# Allegro board TNR_REV00_150306.brd (continued)
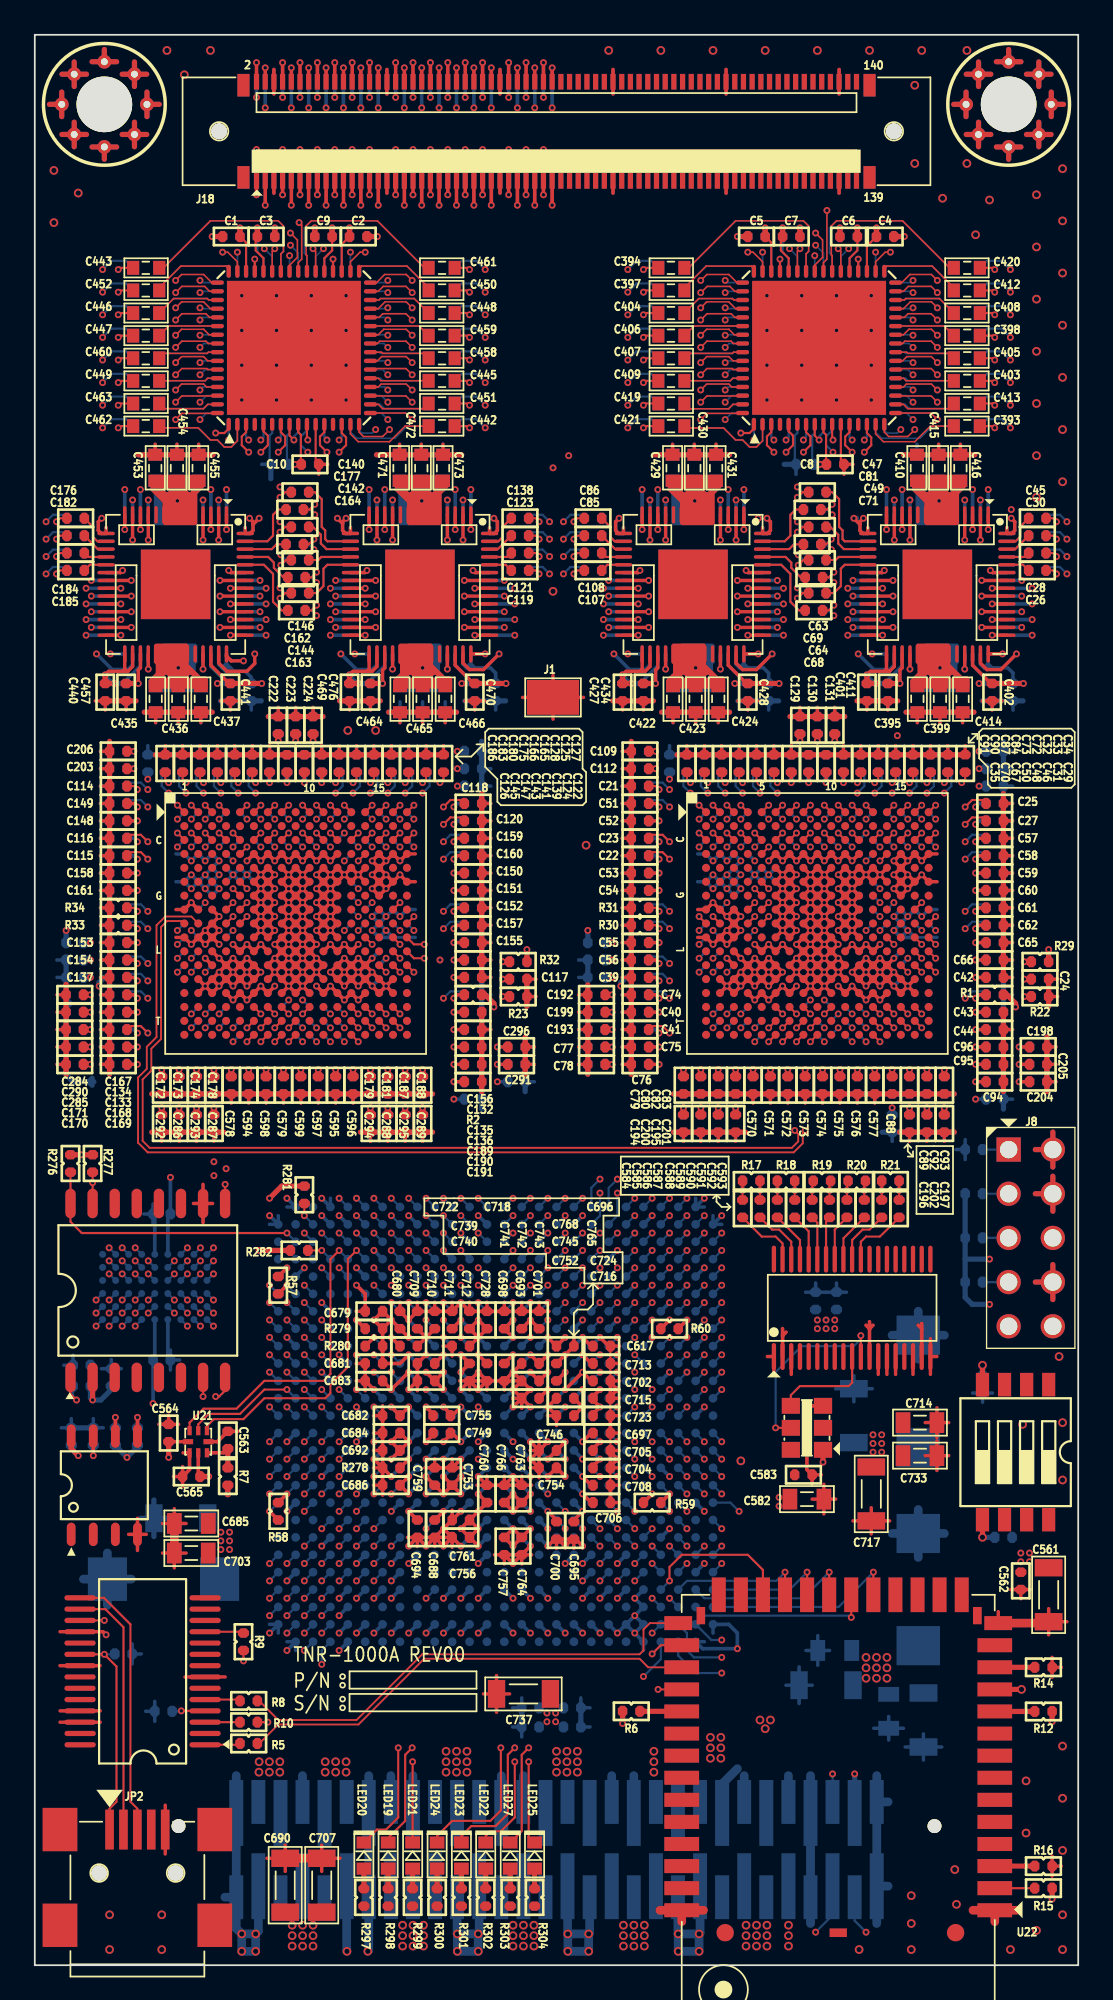
[diagram p0: board, top side]
## Footprints (pads in the part's own frame, mm; a bottom-side part is the same pattern mirrored in y, then rotated) (continued)
C0402
  custom 0.55x0.642 smd: 1(-0.5,0) 2(0.5,0)
C0603
  rect 0.7x0.8 smd: 1(-0.75,0) 2(0.75,0)
C0805
  rect 0.85x1.2 smd: 1(-0.975,0) 2(0.975,0)
C1206
  rect 1x1.6 smd: 1(-1.55,0) 2(1.55,0)
FX4B3-60P-1_27SV
  round 0.8 hole 0.8 unplated: (-21.735,-1.35) (21.735,-1.35)
  rect 0.8x3.79 smd: 1(-18.415,-2.105) 4(-17.145,2.105) 5(-15.875,-2.105) 8(-14.605,2.105) 9(-13.335,-2.105) 12(-12.065,2.105) 13(-10.795,-2.105) 16(-9.525,2.105) 17(-8.255,-2.105) 20(-6.985,2.105) 21(-5.715,-2.105) 24(-4.445,2.105) 25(-3.175,-2.105) 28(-1.905,2.105) 29(-0.635,-2.105) 32(0.635,2.105) 33(1.905,-2.105) 36(3.175,2.105) 37(4.445,-2.105) 40(5.715,2.105) 41(6.985,-2.105) 44(8.255,2.105) 45(9.525,-2.105) 48(10.795,2.105) 49(12.065,-2.105) 52(13.335,2.105) 53(14.605,-2.105) 56(15.875,2.105) 57(17.145,-2.105) 60(18.415,2.105)
  rect 0.8x2.52 smd: 2(-18.415,2.74) 3(-17.145,-2.74) 6(-15.875,2.74) 7(-14.605,-2.74) 10(-13.335,2.74) 11(-12.065,-2.74) 14(-10.795,2.74) 15(-9.525,-2.74) 18(-8.255,2.74) 19(-6.985,-2.74) 22(-5.715,2.74) 23(-4.445,-2.74) 26(-3.175,2.74) 27(-1.905,-2.74) 30(-0.635,2.74) 31(0.635,-2.74) 34(1.905,2.74) 35(3.175,-2.74) 38(4.445,2.74) 39(5.715,-2.74) 42(6.985,2.74) 43(8.255,-2.74) 46(9.525,2.74) 47(10.795,-2.74) 50(12.065,2.74) 51(13.335,-2.74) 54(14.605,2.74) 55(15.875,-2.74) 58(17.145,2.74) 59(18.415,-2.74)
FX11LA-140S-SV
  round 0.9 hole 0.9 unplated: (-19.4,0) (19.4,0)
  rect 0.7x1.3 smd: (-18,2.65) (-18,-2.65) (18,2.65) (18,-2.65)
  rect 0.3x0.9 smd: 1(-17.25,-2.85) 2(-17.25,2.85) 3(-16.75,-2.85) 4(-16.75,2.85) 5(-16.25,-2.85) 6(-16.25,2.85) 7(-15.75,-2.85) 8(-15.75,2.85) 9(-15.25,-2.85) 10(-15.25,2.85) 11(-14.75,-2.85) 12(-14.75,2.85) 13(-14.25,-2.85) 14(-14.25,2.85) 15(-13.75,-2.85) 16(-13.75,2.85) 17(-13.25,-2.85) 18(-13.25,2.85) 19(-12.75,-2.85) 20(-12.75,2.85) 21(-12.25,-2.85) 22(-12.25,2.85) 23(-11.75,-2.85) 24(-11.75,2.85) 25(-11.25,-2.85) 26(-11.25,2.85) 27(-10.75,-2.85) 28(-10.75,2.85) 29(-10.25,-2.85) 30(-10.25,2.85) 31(-9.75,-2.85) 32(-9.75,2.85) 33(-9.25,-2.85) 34(-9.25,2.85) 35(-8.75,-2.85) 36(-8.75,2.85) 37(-8.25,-2.85) 38(-8.25,2.85) 39(-7.75,-2.85) 40(-7.75,2.85) 41(-7.25,-2.85) 42(-7.25,2.85) 43(-6.75,-2.85) 44(-6.75,2.85) 45(-6.25,-2.85) 46(-6.25,2.85) 47(-5.75,-2.85) 48(-5.75,2.85) 49(-5.25,-2.85) 50(-5.25,2.85) 51(-4.75,-2.85) 52(-4.75,2.85) 53(-4.25,-2.85) 54(-4.25,2.85) 55(-3.75,-2.85) 56(-3.75,2.85) 57(-3.25,-2.85) 58(-3.25,2.85) 59(-2.75,-2.85) 60(-2.75,2.85) 61(-2.25,-2.85) 62(-2.25,2.85) 63(-1.75,-2.85) 64(-1.75,2.85) 65(-1.25,-2.85) 66(-1.25,2.85) 67(-0.75,-2.85) 68(-0.75,2.85) 69(-0.25,-2.85) 70(-0.25,2.85) 71(0.25,-2.85) 72(0.25,2.85) 73(0.75,-2.85) 74(0.75,2.85) 75(1.25,-2.85) 76(1.25,2.85) 77(1.75,-2.85) 78(1.75,2.85) 79(2.25,-2.85) 80(2.25,2.85) 81(2.75,-2.85) 82(2.75,2.85) 83(3.25,-2.85) 84(3.25,2.85) 85(3.75,-2.85) 86(3.75,2.85) 87(4.25,-2.85) 88(4.25,2.85) 89(4.75,-2.85) 90(4.75,2.85) 91(5.25,-2.85) 92(5.25,2.85) 93(5.75,-2.85) 94(5.75,2.85) 95(6.25,-2.85) 96(6.25,2.85) 97(6.75,-2.85) 98(6.75,2.85) 99(7.25,-2.85) 100(7.25,2.85) 101(7.75,-2.85) 102(7.75,2.85) 103(8.25,-2.85) 104(8.25,2.85) 105(8.75,-2.85) 106(8.75,2.85) 107(9.25,-2.85) 108(9.25,2.85) 109(9.75,-2.85) 110(9.75,2.85) 111(10.25,-2.85) 112(10.25,2.85) 113(10.75,-2.85) 114(10.75,2.85) 115(11.25,-2.85) 116(11.25,2.85) 117(11.75,-2.85) 118(11.75,2.85) 119(12.25,-2.85) 120(12.25,2.85) 121(12.75,-2.85) 122(12.75,2.85) 123(13.25,-2.85) 124(13.25,2.85) 125(13.75,-2.85) 126(13.75,2.85) 127(14.25,-2.85) 128(14.25,2.85) 129(14.75,-2.85) 130(14.75,2.85) 131(15.25,-2.85) 132(15.25,2.85) 133(15.75,-2.85) 134(15.75,2.85) 135(16.25,-2.85) 136(16.25,2.85) 137(16.75,-2.85) 138(16.75,2.85) 139(17.25,-2.85) 140(17.25,2.85)
GS2100M
  rect 0.5x1 smd: (-16.9,23.8) (-1,23.8)
  round 1 smd: (-15.5,5.57) (-2.25,5.57)
  rect 1x0.5 smd: (-9,5.57)
  rect 2x0.81 smd: 1(0,6.86) 2(0,8.13) 3(0,9.4) 4(0,10.67) 5(0,11.94) 6(0,13.21) 7(0,14.48) 8(0,15.75) 9(0,17.02) 10(0,18.29) 11(0,19.56) 12(0,20.83) 13(0,22.1) 28(-18,22.1) 29(-18,20.83) 30(-18,19.56) 31(-18,18.29) 32(-18,17.02) 33(-18,15.75) 34(-18,14.48) 35(-18,13.21) 36(-18,11.94) 37(-18,10.67) 38(-18,9.4) 39(-18,8.13) 40(-18,6.86)
  rect 1.6x0.81 smd: 14(0.2,23.37) 27(-18.2,23.37)
  rect 0.81x2 smd: 15(-1.9,25) 16(-3.17,25) 17(-4.44,25) 18(-5.71,25) 19(-6.98,25) 20(-8.25,25) 21(-9.52,25) 22(-10.79,25) 23(-12.06,25) 24(-13.33,25) 25(-14.6,25) 26(-15.87,25)
HEADER2X5_P2_54MM
  rect 1.4x1.4 hole 1: 1(0,0)
  round 1.4 hole 1: 2(0,2.54) 3(2.54,0) 4(2.54,2.54) 5(5.08,0) 6(5.08,2.54) 7(7.62,0) 8(7.62,2.54) 9(10.16,0) 10(10.16,2.54)
KHS04_SMD
  rect 1.36x0.76 smd: 1(-3.88,1.905) 2(-3.88,0.635) 3(-3.88,-0.635) 4(-3.88,-1.905) 5(3.88,-1.905) 6(3.88,-0.635) 7(3.88,0.635) 8(3.88,1.905)
LED1608-NP
  rect 0.7x0.85 smd: 1(-0.75,0) 2(0.75,0)
OSC_SG3225
  rect 0.92x1.05 smd: 1(-1.265,-0.925) 2(0,-0.925) 3(1.265,-0.925) 4(1.265,0.925) 5(0,0.925) 6(-1.265,0.925)
QFN8_P0_5_W1_5X1_5
  rect 0.25x0.53 smd: 1(0.5,0.635) 2(0,0.635) 3(-0.5,0.635) 5(-0.5,-0.635) 6(0,-0.635) 7(0.5,-0.635)
  rect 0.58x0.3 smd: 4(-0.585,0) 8(0.585,0)
QFN64_P0_5_W9X9_EXP7_7
  oval 0.75x0.25 smd: 1(-4.4,3.75) 2(-4.4,3.25) 3(-4.4,2.75) 4(-4.4,2.25) 5(-4.4,1.75) 6(-4.4,1.25) 7(-4.4,0.75) 8(-4.4,0.25) 9(-4.4,-0.25) 10(-4.4,-0.75) 11(-4.4,-1.25) 12(-4.4,-1.75) 13(-4.4,-2.25) 14(-4.4,-2.75) 15(-4.4,-3.25) 16(-4.4,-3.75) 33(4.4,-3.75) 34(4.4,-3.25) 35(4.4,-2.75) 36(4.4,-2.25) 37(4.4,-1.75) 38(4.4,-1.25) 39(4.4,-0.75) 40(4.4,-0.25) 41(4.4,0.25) 42(4.4,0.75) 43(4.4,1.25) 44(4.4,1.75) 45(4.4,2.25) 46(4.4,2.75) 47(4.4,3.25) 48(4.4,3.75)
  oval 0.25x0.75 smd: 17(-3.75,-4.4) 18(-3.25,-4.4) 19(-2.75,-4.4) 20(-2.25,-4.4) 21(-1.75,-4.4) 22(-1.25,-4.4) 23(-0.75,-4.4) 24(-0.25,-4.4) 25(0.25,-4.4) 26(0.75,-4.4) 27(1.25,-4.4) 28(1.75,-4.4) 29(2.25,-4.4) 30(2.75,-4.4) 31(3.25,-4.4) 32(3.75,-4.4) 49(3.75,4.4) 50(3.25,4.4) 51(2.75,4.4) 52(2.25,4.4) 53(1.75,4.4) 54(1.25,4.4) 55(0.75,4.4) 56(0.25,4.4) 57(-0.25,4.4) 58(-0.75,4.4) 59(-1.25,4.4) 60(-1.75,4.4) 61(-2.25,4.4) 62(-2.75,4.4) 63(-3.25,4.4) 64(-3.75,4.4)
  rect 7.7x7.7 smd: 65(0,0)
R0402
  custom 0.55x0.642 smd: 1(-0.5,0) 2(0.5,0)
SCREW-3_2-NPTH
  round 3.2 hole 3.2 unplated: (0,0)
  round 0.8 hole 0.4: 1(0,2.45) 2(1.732,1.732) 3(2.45,0) 4(1.732,-1.732) 5(0,-2.45) 6(-1.732,-1.732) 7(-2.45,0) 8(-1.732,1.732)
SOIC8_P1_27_W5_0X6_2
  oval 1.35x0.51 smd: 1(-2.825,1.905) 2(-2.825,0.635) 3(-2.825,-0.635) 4(-2.825,-1.905) 5(2.825,-1.905) 6(2.825,-0.635) 7(2.825,0.635) 8(2.825,1.905)
SOP16_P1_27_W10_3X7_5
  oval 1.7x0.6 smd: 1(-5,4.445) 2(-5,3.175) 3(-5,1.905) 4(-5,0.635) 5(-5,-0.635) 6(-5,-1.905) 7(-5,-3.175) 8(-5,-4.445) 9(5,-4.445) 10(5,-3.175) 11(5,-1.905) 12(5,-0.635) 13(5,0.635) 14(5,1.905) 15(5,3.175) 16(5,4.445)
SSOP28_P0_65_W7_8X10_2
  oval 1.8x0.3 smd: 1(-3.887,4.225) 2(-3.887,3.575) 3(-3.887,2.925) 4(-3.887,2.275) 5(-3.887,1.625) 6(-3.887,0.975) 7(-3.887,0.325) 8(-3.887,-0.325) 9(-3.887,-0.975) 10(-3.887,-1.625) 11(-3.887,-2.275) 12(-3.887,-2.925) 13(-3.887,-3.575) 14(-3.887,-4.225) 15(3.893,-4.225) 16(3.893,-3.575) 17(3.893,-2.925) 18(3.893,-2.275) 19(3.893,-1.625) 20(3.893,-0.975) 21(3.893,-0.325) 22(3.893,0.325) 23(3.893,0.975) 24(3.893,1.625) 25(3.887,2.275) 26(3.887,2.925) 27(3.887,3.575) 28(3.887,4.225)
TC7343D
  rect 2.25x2.5 smd: 1(3.225,0) 2(-3.225,0)
TE_1734035_USB
  rect 2x2.5 smd: (-4.45,2.5) (-4.45,-3) (4.45,2.5) (4.45,-3)
  round 0.9 hole 0.9 unplated: (-2.2,0) (2.2,0)
  rect 0.5x2.3 smd: 1(-1.6,2.5) 2(-0.8,2.5) 3(0,2.5) 4(0.8,2.5) 5(1.6,2.5)
TFLGA56LD_P0_45_W8X8_EXP4X4
  oval 1x0.2 smd: 1(-4,2.925) 2(-4,2.475) 3(-4,2.025) 4(-4,1.575) 5(-4,1.125) 6(-4,0.675) 7(-4,0.225) 8(-4,-0.225) 9(-4,-0.675) 10(-4,-1.125) 11(-4,-1.575) 12(-4,-2.025) 13(-4,-2.475) 14(-4,-2.925) 29(4,-2.925) 30(4,-2.475) 31(4,-2.025) 32(4,-1.575) 33(4,-1.125) 34(4,-0.675) 35(4,-0.225) 36(4,0.225) 37(4,0.675) 38(4,1.125) 39(4,1.575) 40(4,2.025) 41(4,2.475) 42(4,2.925)
  oval 0.2x1 smd: 15(-2.925,-4) 16(-2.475,-4) 17(-2.025,-4) 18(-1.575,-4) 19(-1.125,-4) 20(-0.675,-4) 21(-0.225,-4) 22(0.225,-4) 23(0.675,-4) 24(1.125,-4) 25(1.575,-4) 26(2.025,-4) 27(2.475,-4) 28(2.925,-4) 43(2.925,4) 44(2.475,4) 45(2.025,4) 46(1.575,4) 47(1.125,4) 48(0.675,4) 49(0.225,4) 50(-0.225,4) 51(-0.675,4) 52(-1.125,4) 53(-1.575,4) 54(-2.025,4) 55(-2.475,4) 56(-2.925,4)
  rect 4x4 smd: 57(0,0)
TP_3020
  rect 3x2 smd: 1(0,0)
TSSOP38_P0_5_W6_4X9_7
  oval 1.55x0.25 smd: 1(-2.8,4.5) 2(-2.8,4) 3(-2.8,3.5) 4(-2.8,3) 5(-2.8,2.5) 6(-2.8,2) 7(-2.8,1.5) 8(-2.8,1) 9(-2.8,0.5) 10(-2.8,0) 11(-2.8,-0.5) 12(-2.8,-1) 13(-2.8,-1.5) 14(-2.8,-2) 15(-2.8,-2.5) 16(-2.8,-3) 17(-2.8,-3.5) 18(-2.8,-4) 19(-2.8,-4.5) 20(2.8,-4.5) 21(2.8,-4) 22(2.8,-3.5) 23(2.8,-3) 24(2.8,-2.5) 25(2.8,-2) 26(2.8,-1.5) 27(2.8,-1) 28(2.8,-0.5) 29(2.8,0) 30(2.8,0.5) 31(2.8,1) 32(2.8,1.5) 33(2.8,2) 34(2.8,2.5) 35(2.8,3) 36(2.8,3.5) 37(2.8,4) 38(2.8,4.5)

## Nets
+D3.3V: C561.2 C562.2 C564.2 C565.2 C580.2 C581.2 C619.1 J2.8(VCC) R6.1 R11.2 R12.1 R55.2 R56.2 U21.4(DVDD) U21.6(AVDD) U22.15(VIN) U24.2(VCC1) U24.5(ENM) U24.6(ENA) U24.7(ENB) U24.8(ENC) U24.9(END) U24.12(ENE) U24.18(VCC2)
GND_SIGNAL: C1.2 C2.2 C3.2 C4.2 C5.2 C6.2 C7.2 C8.2 C9.2 C10.2 C11.2 C12.2 C13.2 C14.2 C15.2 C16.2 C17.2 C18.2 C19.2 C20.2 C21.2 C22.2 C23.2 C24.2 C25.2 C27.1 C29.1 C31.1 C32.2 C33.2 C34.2 C35.2 C36.2 C37.2 C38.2 C39.2 C40.2 C41.2 C42.2 C43.2 C44.2 C46.1 C48.1 C50.1 C51.2 C52.2 C53.2 C54.2 C55.2 C56.2 C57.2 C58.2 C59.2 C60.2 C61.2 C62.2 C65.2 C66.2 C67.1 C70.1 C72.1 C73.1 C74.2 C75.2 C76.2 C77.2 C78.2 C79.2 C80.2 C82.2 C83.2 C84.1 C87.1 C88.2 C89.2 C90.1 C91.1 C92.2 C93.2 C94.2 C95.2 C96.2 C97.2 C98.2 C99.2 C100.2 C101.2 C102.2 C103.2 C104.2 C105.2 C106.2 C109.1 C110.2 C111.2 C112.1 C113.2 C114.2 C115.2 C116.2 C117.2 C118.2 C120.1 C122.1 C124.1 C125.2 C126.2 C127.2 C128.2 C129.2 C130.2 C131.2 C132.2 C133.2 C134.2 C135.2 C136.2 C137.2 C139.1 C141.1 C143.1 C145.1 C147.1 C148.2 C149.2 C150.2 C151.2 C152.2 C153.2 C154.2 C155.2 C156.2 C157.2 C158.2 C159.2 C160.2 C161.2 C165.1 C166.1 C167.2 C168.2 C169.2 C170.2 C171.2 C172.2 C173.2 C174.2 C175.1 C178.2 C179.2 C180.1 C181.2 C183.1 C186.1 C187.2 C188.2 C189.2 C190.2 C191.2 C192.2 C193.2 C194.2 C195.2 C196.2 C197.2 C198.2 C199.2 C200.2 C201.2 C202.2 C203.1 C204.2 C205.2 C206.1 C207.2 C208.2 C209.2 C210.2 C211.2 C213.1 C215.1 C217.1 C218.2 C219.2 C220.2 C221.2 C222.2 C223.2 C224.2 C225.2 C226.2 C227.2 C228.2 C229.2 C230.2 C232.1 C234.1 C236.1 C237.2 C238.2 C239.2 C240.2 C241.2 C242.2 C243.2 C244.2 C245.2 C246.2 C247.2 C248.2 C249.2 C251.1 C253.1 C254.2 C258.1 C259.1 C260.2 C261.2 C262.2 C263.2 C264.2 C265.2 C266.2 C267.2 C270.1 C271.2 C272.2 C273.2 C274.1 C277.1 C278.1 C279.2 C280.2 C281.2 C282.2 C283.2 C284.2 C285.2 C286.2 C287.2 C288.2 C289.2 C290.2 C291.2 C292.2 C293.2 C294.2 C295.2 C296.2 C298.1 C299.1 C300.2 C301.2 C302.2 C303.2 C304.2 C306.1 C308.1 C310.1 C311.2 C312.2 C313.2 C314.2 C315.2 C316.2 C317.2 C318.2 C319.2 C320.2 C321.2 C322.2 C323.2 C325.1 C327.1 C329.1 C330.2 C331.2 C332.2 C333.2 C334.2 C335.2 C336.2 C337.2 C338.2 C339.2 C340.2 C341.2 C342.2 C343.2 C345.1 C349.1 C350.1 C352.1 C354.1 C356.2 C357.2 C358.2 C359.2 C360.2 C361.2 C362.1 C364.2 C365.2 C366.2 C367.2 C368.2 C369.1 C371.1 C372.2 C373.2 C374.2 C375.2 C376.2 C377.2 C378.2 C379.2 C380.2 C381.2 C382.2 C383.2 C384.2 C385.2 C386.2 C387.2 C388.2 C390.1 C391.1 C392.2 C395.2 C399.2 C401.2 C402.2 C410.2 C411.2 C414.2 C415.2 C416.2 C422.2 C423.2 C424.2 C427.2 C428.2 C429.2 C430.2 C431.2 C434.2 C435.2 C436.2 C437.2 C440.2 C441.2 C453.2 C454.2 C455.2 C457.2 C464.2 C465.2 C466.2 C469.2 C470.2 C471.2 C472.2 C473.2 C476.2 C481.2 C487.2 C488.2 C489.2 C492.2 C493.2 C494.2 C495.2 C503.2 C506.2 C507.2 C508.2 C511.2 C512.2 C513.2 C514.2 C515.2 C518.2 C519.2 C520.2 C521.2 C524.2 C525.2 C528.2 C529.2 C530.2 C543.2 C548.2 C549.2 C550.2 C553.2 C554.2 C555.2 C556.2 C557.2 C560.2 C561.1 C562.1 C563.1 C564.1 C565.1 C566.1 C567.1 C568.1 C569.1 C570.2 C571.2 C572.2 C573.2 C574.2 C575.2 C576.2 C577.2 C578.2 C579.2 C580.1 C581.1 C582.1 C583.1 C594.2 C595.2 C596.2 C597.2 C598.2 C599.2 C600.2 C601.2 C602.2 C603.2 C604.2 C605.2 C606.2 C607.2 C608.2 C609.2 C610.2 C611.2 C612.2 C613.2 C614.2 C615.2 C616.1 C617.1 C618.1 C619.2 C679.2 C680.2 C681.2 C682.2 C683.2 C684.2 C685.2 C686.2 C687.2 C688.2 C689.2 C690.2 C692.2 C693.2 C694.2 C695.2 C696.2 C697.2 C698.2 C700.2 C701.2 C702.2 C703.2 C704.2 C705.2 C706.2 C707.2 C708.2 C709.2 C710.2 C711.2 C712.2 C713.2 C714.2 C715.2 C716.2 C717.2 C718.2 C719.2 C721.2 C722.2 C723.2 C724.2 C725.2 C726.2 C728.2 C730.2 C731.2 C733.2 C737.2 C739.2 C740.2 C741.2 C742.2 C743.2 C744.2 C745.2 C746.2 C747.2 C748.2 C749.2 C750.2 C752.2 C753.2 C754.2 C755.2 C756.2 C757.2 C759.2 C760.2 C761.2 C762.2 C763.2 C764.2 C765.2 C766.2 C768.2 J1.1 J2.4(VSS) J8.2 J8.4 J8.8 J18.5 J18.6 J18.31 J18.32 J18.57 J18.58 J18.83 J18.84 J18.109 J18.110 J18.135 J18.136 J19.5 J19.6 J19.31 J19.32 J19.57 J19.58 J19.83 J19.84 J19.109 J19.110 J19.135 J19.136 J20.1 J20.2 J20.4 J20.7 J20.12 J20.13 J20.14 J20.15 J20.17 J20.22 J20.24 J20.25 J20.27 J20.32 J20.34 J20.35 J20.37 J20.42 J20.44 J20.45 J20.47 J20.51 J20.53 J20.54 J20.59 J20.60 JP2.5(GND) MH1.1($PIN0) MH1.2($PIN1) MH1.3($PIN2) MH1.4($PIN3) MH1.5($PIN7) MH1.6($PIN6) MH1.7($PIN5) MH1.8($PIN4) MH2.1($PIN0) MH2.2($PIN1) MH2.3($PIN2) MH2.4($PIN3) MH2.5($PIN7) MH2.6($PIN6) MH2.7($PIN5) MH2.8($PIN4) R13.1 R14.1 R16.1 R22.2 R23.2 R24.2 R25.2 R27.2 R28.2 R30.2 R31.2 R33.2 R34.2 R36.2 R37.2 R54.1 R272.2 R278.1 U1.11(GND) U1.36(RGND-2) U1.45(RGND-1) U2.11(GND) U2.36(RGND-2) U2.45(RGND-1) U3.11(GND) U3.36(RGND-2) U3.45(RGND-1) U4.11(GND) U4.36(RGND-2) U4.45(RGND-1) U6.D15(AVSS-1) U6.D16(AVSS-2) U6.D17(AVSS-3) U6.E8(AVSS-4) U6.E9(AVSS-5) U6.E10(AVSS-6) U6.E15(AVSS-7) U6.F8(AVSS-8) U6.F9(AVSS-9) U6.F10(AVSS-10) U6.F15(AVSS-11) U6.F16(AVSS-12) U6.F17(AVSS-13) U6.G8(AVSS-14) U6.G9(AVSS-15) U6.G10(AVSS-16) U6.G15(AVSS-17) U6.H1(AVSS-18) U6.H2(AVSS-19) U6.H3(AVSS-20) U6.H8(AVSS-21) U6.H9(AVSS-22) U6.H10(AVSS-23) U6.J3(AVSS-24) U6.J8(AVSS-25) U6.J9(AVSS-26) U6.J10(AVSS-27) U6.K1(AVSS-28) U6.K2(AVSS-29) U6.K3(AVSS-30) U6.K8(AVSS-31) U6.K9(AVSS-32) U6.K10(AVSS-33) U6.L8(AVSS-34) U6.L9(AVSS-35) U6.L10(AVSS-36) U6.M3(DVSS-1) U6.M7(DVSS-2) U6.M8(DVSS-3) U6.M9(DVSS-4) U6.M10(DVSS-5) U6.M11(DVSS-6) U6.N7(DVSS-7) U6.N8(DVSS-8) U6.N9(DVSS-9) U6.N10(DVSS-10) U6.N11(DVSS-11) U6.P8(DVSS-12) U6.P9(DVSS-13) U6.P10(DVSS-14) U8.D15(AVSS-1) U8.D16(AVSS-2) U8.D17(AVSS-3) U8.E8(AVSS-4) U8.E9(AVSS-5) U8.E10(AVSS-6) U8.E15(AVSS-7) U8.F8(AVSS-8) U8.F9(AVSS-9) U8.F10(AVSS-10) U8.F15(AVSS-11) U8.F16(AVSS-12) U8.F17(AVSS-13) U8.G8(AVSS-14) U8.G9(AVSS-15) U8.G10(AVSS-16) U8.G15(AVSS-17) U8.H1(AVSS-18) U8.H2(AVSS-19) U8.H3(AVSS-20) U8.H8(AVSS-21) U8.H9(AVSS-22) U8.H10(AVSS-23) U8.J3(AVSS-24) U8.J8(AVSS-25) U8.J9(AVSS-26) U8.J10(AVSS-27) U8.K1(AVSS-28) U8.K2(AVSS-29) U8.K3(AVSS-30) U8.K8(AVSS-31) U8.K9(AVSS-32) U8.K10(AVSS-33) U8.L8(AVSS-34) U8.L9(AVSS-35) U8.L10(AVSS-36) U8.M3(DVSS-1) U8.M7(DVSS-2) U8.M8(DVSS-3) U8.M9(DVSS-4) U8.M10(DVSS-5) U8.M11(DVSS-6) U8.N7(DVSS-7) U8.N8(DVSS-8) U8.N9(DVSS-9) U8.N10(DVSS-10) U8.N11(DVSS-11) U8.P8(DVSS-12) U8.P9(DVSS-13) U8.P10(DVSS-14) U10.D15(AVSS-1) U10.D16(AVSS-2) U10.D17(AVSS-3) U10.E8(AVSS-4) U10.E9(AVSS-5) U10.E10(AVSS-6) U10.E15(AVSS-7) U10.F8(AVSS-8) U10.F9(AVSS-9) U10.F10(AVSS-10) U10.F15(AVSS-11) U10.F16(AVSS-12) U10.F17(AVSS-13) U10.G8(AVSS-14) U10.G9(AVSS-15) U10.G10(AVSS-16) U10.G15(AVSS-17) U10.H1(AVSS-18) U10.H2(AVSS-19) U10.H3(AVSS-20) U10.H8(AVSS-21) U10.H9(AVSS-22) U10.H10(AVSS-23) U10.J3(AVSS-24) U10.J8(AVSS-25) U10.J9(AVSS-26) U10.J10(AVSS-27) U10.K1(AVSS-28) U10.K2(AVSS-29) U10.K3(AVSS-30) U10.K8(AVSS-31) U10.K9(AVSS-32) U10.K10(AVSS-33) U10.L8(AVSS-34) U10.L9(AVSS-35) U10.L10(AVSS-36) U10.M3(DVSS-1) U10.M7(DVSS-2) U10.M8(DVSS-3) U10.M9(DVSS-4) U10.M10(DVSS-5) U10.M11(DVSS-6) U10.N7(DVSS-7) U10.N8(DVSS-8) U10.N9(DVSS-9) U10.N10(DVSS-10) U10.N11(DVSS-11) U10.P8(DVSS-12) U10.P9(DVSS-13) U10.P10(DVSS-14) U11.D15(AVSS-1) U11.D16(AVSS-2) U11.D17(AVSS-3) U11.E8(AVSS-4) U11.E9(AVSS-5) U11.E10(AVSS-6) U11.E15(AVSS-7) U11.F8(AVSS-8) U11.F9(AVSS-9) U11.F10(AVSS-10) U11.F15(AVSS-11) U11.F16(AVSS-12) U11.F17(AVSS-13) U11.G8(AVSS-14) U11.G9(AVSS-15) U11.G10(AVSS-16) U11.G15(AVSS-17) U11.H1(AVSS-18) U11.H2(AVSS-19) U11.H3(AVSS-20) U11.H8(AVSS-21) U11.H9(AVSS-22) U11.H10(AVSS-23) U11.J3(AVSS-24) U11.J8(AVSS-25) U11.J9(AVSS-26) U11.J10(AVSS-27) U11.K1(AVSS-28) U11.K2(AVSS-29) U11.K3(AVSS-30) U11.K8(AVSS-31) U11.K9(AVSS-32) U11.K10(AVSS-33) U11.L8(AVSS-34) U11.L9(AVSS-35) U11.L10(AVSS-36) U11.M3(DVSS-1) U11.M7(DVSS-2) U11.M8(DVSS-3) U11.M9(DVSS-4) U11.M10(DVSS-5) U11.M11(DVSS-6) U11.N7(DVSS-7) U11.N8(DVSS-8) U11.N9(DVSS-9) U11.N10(DVSS-10) U11.N11(DVSS-11) U11.P8(DVSS-12) U11.P9(DVSS-13) U11.P10(DVSS-14) U13.15(GND_PWR-1) U13.20(GND_PWR-2) U13.32(AGND) U13.39(DGND) U13.51(GND_PWR-3) U13.56(GND_PWR-4) U14.15(GND_PWR-1) U14.20(GND_PWR-2) U14.32(AGND) U14.39(DGND) U14.51(GND_PWR-3) U14.56(GND_PWR-4) U15.15(GND_PWR-1) U15.20(GND_PWR-2) U15.32(AGND) U15.39(DGND) U15.51(GND_PWR-3) U15.56(GND_PWR-4) U16.15(GND_PWR-1) U16.20(GND_PWR-2) U16.32(AGND) U16.39(DGND) U16.51(GND_PWR-3) U16.56(GND_PWR-4) U17.15(GND_PWR-1) U17.20(GND_PWR-2) U17.32(AGND) U17.39(DGND) U17.51(GND_PWR-3) U17.56(GND_PWR-4) U18.15(GND_PWR-1) U18.20(GND_PWR-2) U18.32(AGND) U18.39(DGND) U18.51(GND_PWR-3) U18.56(GND_PWR-4) U19.15(GND_PWR-1) U19.20(GND_PWR-2) U19.32(AGND) U19.39(DGND) U19.51(GND_PWR-3) U19.56(GND_PWR-4) U20.15(GND_PWR-1) U20.20(GND_PWR-2) U20.32(AGND) U20.39(DGND) U20.51(GND_PWR-3) U20.56(GND_PWR-4) U21.5(GND) U21.8(AINM) U22.1(GND2) U22.14(GND1) U22.40(GND3) U23.7(GND1) U23.18(GND3) U23.21(GND2) U23.25(AGND) U23.26(TEST) U24.1(GND1) U24.3(GND2) U24.13(ENF) U24.14(ENG) U24.15(ENH) U24.17(GND3) U24.19(GND4) U25.D1(VSSQ) U25.E6(VSS) U28.10(VSS(GND)) U88.A2(GND1) U88.A23(CFG1) U88.A25(GND2) U88.AA6(GND88) U88.AA8(GND89) U88.AA9(GND90) U88.AA13(GND91) U88.AA14(GND92) U88.AA18(GND93) U88.AA19(GND94) U88.AA21(GND95) U88.AB2(GND96) U88.AB8(GND97) U88.AB19(GND98) U88.AB25(GND99) U88.AC5(GND100) U88.AC6(GND101) U88.AC7(GND102) U88.AC8(GND103) U88.AC11(GND104) U88.AC12(GND105) U88.AC13(GND106) U88.AC14(GND107) U88.AC15(GND108) U88.AC16(GND109) U88.AC19(GND110) U88.AC20(GND111) U88.AC21(GND112) U88.AC22(GND113) U88.AD5(GND114) U88.AD22(GND115) U88.AE1(GND116) U88.AE5(GND117) U88.AE6(GND118) U88.AE7(GND119) U88.AE8(GND120) U88.AE9(GND121) U88.AE10(GND122) U88.AE11(GND123) U88.AE12(GND124) U88.AE13(GND125) U88.AE14(GND126) U88.AE15(GND127) U88.AE16(GND128) U88.AE17(GND129) U88.AE18(GND130) U88.AE19(GND131) U88.AE20(GND132) U88.AE21(GND133) U88.AE22(GND134) U88.AE26(GND135) U88.AF2(GND136) U88.AF5(GND137) U88.AF22(GND138) U88.AF25(GND139) U88.B1(GND3) U88.B5(GND4) U88.B9(GND5) U88.B14(GND6) U88.B18(GND7) U88.B22(GND8) U88.B23(CFG0) U88.B26(GND9) U88.D7(GND10) U88.D11(GND11) U88.D16(GND12) U88.D20(GND13) U88.E2(GND14) U88.E21(CFG2) U88.E25(GND15) U88.F6(GND16) U88.F21(GND17) U88.G4(GND18) U88.G12(GND19) U88.G15(GND20) U88.G23(GND21) U88.H9(GND22) U88.H18(GND23) U88.J2(GND24) U88.J8(GND25) U88.J12(GND26) U88.J15(GND27) U88.J19(GND28) U88.J25(GND29) U88.K10(GND30) U88.K17(GND31) U88.L4(GND32) U88.L13(GND33) U88.L14(GND34) U88.L23(GND35) U88.M7(GND36) U88.M9(GND37) U88.M12(GND38) U88.M13(GND39) U88.M14(GND40) U88.M15(GND41) U88.M18(GND42) U88.M20(GND43) U88.N2(GND44) U88.N11(GND45) U88.N12(GND46) U88.N13(GND47) U88.N14(GND48) U88.N15(GND49) U88.N16(GND50) U88.P11(GND51) U88.P12(GND52) U88.P13(GND53) U88.P14(GND54) U88.P15(GND55) U88.P16(GND56) U88.P25(GND57) U88.R7(GND58) U88.R9(GND59) U88.R12(GND60) U88.R13(GND61) U88.R14(GND62) U88.R15(GND63) U88.R20(GND64) U88.T4(GND65) U88.T13(GND66) U88.T14(GND67) U88.T19(GND68) U88.T23(GND69) U88.U17(GND70) U88.V2(GND71) U88.V12(GND72) U88.V15(GND73) U88.V19(GND74) U88.V25(GND75) U88.W11(GND76) U88.W16(GND77) U88.Y4(GND78) U88.Y9(GND79) U88.Y10(GND80) U88.Y11(GND81) U88.Y12(GND82) U88.Y15(GND83) U88.Y16(GND84) U88.Y17(GND85) U88.Y18(GND86) U88.Y23(GND87) X3.3(GND)
+A1P8: C39.1 C40.1 C41.1 C42.1 C43.1 C44.1 C132.1 C133.1 C134.1 C135.1 C136.1 C137.1 C225.1 C226.1 C227.1 C228.1 C229.1 C230.1 C318.1 C319.1 C320.1 C321.1 C322.1 C323.1 J20.39 J20.41 J20.43 R1.2 R2.2 R3.2 R4.2 R26.2 R29.2 R32.2 R35.2 U6.L5(AVDD_1P8-1) U6.L6(AVDD_1P8-2) U6.L7(AVDD_1P8-3) U6.L11(AVDD_1P8-4) U6.L12(AVDD_1P8-5) U6.L13(AVDD_1P8-6) U8.L5(AVDD_1P8-1) U8.L6(AVDD_1P8-2) U8.L7(AVDD_1P8-3) U8.L11(AVDD_1P8-4) U8.L12(AVDD_1P8-5) U8.L13(AVDD_1P8-6) U10.L5(AVDD_1P8-1) U10.L6(AVDD_1P8-2) U10.L7(AVDD_1P8-3) U10.L11(AVDD_1P8-4) U10.L12(AVDD_1P8-5) U10.L13(AVDD_1P8-6) U11.L5(AVDD_1P8-1) U11.L6(AVDD_1P8-2) U11.L7(AVDD_1P8-3) U11.L11(AVDD_1P8-4) U11.L12(AVDD_1P8-5) U11.L13(AVDD_1P8-6)
+A1P9: C51.1 C52.1 C53.1 C54.1 C55.1 C56.1 C57.1 C58.1 C59.1 C60.1 C61.1 C62.1 C65.1 C66.1 C148.1 C149.1 C150.1 C151.1 C152.1 C153.1 C154.1 C155.1 C156.1 C157.1 C158.1 C159.1 C160.1 C161.1 C237.1 C238.1 C239.1 C240.1 C241.1 C242.1 C243.1 C244.1 C245.1 C246.1 C247.1 C248.1 C249.1 C254.1 C330.1 C331.1 C332.1 C333.1 C334.1 C335.1 C336.1 C337.1 C338.1 C339.1 C340.1 C341.1 C342.1 C343.1 J20.29 J20.31 J20.33 U6.E6(AVDD_1P9-1) U6.E7(AVDD_1P9-2) U6.E11(AVDD_1P9-3) U6.E12(AVDD_1P9-4) U6.E13(AVDD_1P9-5) U6.E14(AVDD_1P9-6) U6.F6(AVDD_1P9-11) U6.F7(AVDD_1P9-12) U6.F11(AVDD_1P9-7) U6.F12(AVDD_1P9-8) U6.F13(AVDD_1P9-9) U6.F14(AVDD_1P9-10) U6.G6(AVDD_1P9-15) U6.G7(AVDD_1P9-16) U6.G11(AVDD_1P9-13) U6.G12(AVDD_1P9-14) U6.H6(AVDD_1P9-19) U6.H7(AVDD_1P9-20) U6.H11(AVDD_1P9-17) U6.H12(AVDD_1P9-18) U6.J6(AVDD_1P9-23) U6.J7(AVDD_1P9-24) U6.J11(AVDD_1P9-21) U6.J12(AVDD_1P9-22) U6.K6(AVDD_1P9-27) U6.K7(AVDD_1P9-28) U6.K11(AVDD_1P9-25) U6.K12(AVDD_1P9-26) U8.E6(AVDD_1P9-1) U8.E7(AVDD_1P9-2) U8.E11(AVDD_1P9-3) U8.E12(AVDD_1P9-4) U8.E13(AVDD_1P9-5) U8.E14(AVDD_1P9-6) U8.F6(AVDD_1P9-11) U8.F7(AVDD_1P9-12) U8.F11(AVDD_1P9-7) U8.F12(AVDD_1P9-8) U8.F13(AVDD_1P9-9) U8.F14(AVDD_1P9-10) U8.G6(AVDD_1P9-15) U8.G7(AVDD_1P9-16) U8.G11(AVDD_1P9-13) U8.G12(AVDD_1P9-14) U8.H6(AVDD_1P9-19) U8.H7(AVDD_1P9-20) U8.H11(AVDD_1P9-17) U8.H12(AVDD_1P9-18) U8.J6(AVDD_1P9-23) U8.J7(AVDD_1P9-24) U8.J11(AVDD_1P9-21) U8.J12(AVDD_1P9-22) U8.K6(AVDD_1P9-27) U8.K7(AVDD_1P9-28) U8.K11(AVDD_1P9-25) U8.K12(AVDD_1P9-26) U10.E6(AVDD_1P9-1) U10.E7(AVDD_1P9-2) U10.E11(AVDD_1P9-3) U10.E12(AVDD_1P9-4) U10.E13(AVDD_1P9-5) U10.E14(AVDD_1P9-6) U10.F6(AVDD_1P9-11) U10.F7(AVDD_1P9-12) U10.F11(AVDD_1P9-7) U10.F12(AVDD_1P9-8) U10.F13(AVDD_1P9-9) U10.F14(AVDD_1P9-10) U10.G6(AVDD_1P9-15) U10.G7(AVDD_1P9-16) U10.G11(AVDD_1P9-13) U10.G12(AVDD_1P9-14) U10.H6(AVDD_1P9-19) U10.H7(AVDD_1P9-20) U10.H11(AVDD_1P9-17) U10.H12(AVDD_1P9-18) U10.J6(AVDD_1P9-23) U10.J7(AVDD_1P9-24) U10.J11(AVDD_1P9-21) U10.J12(AVDD_1P9-22) U10.K6(AVDD_1P9-27) U10.K7(AVDD_1P9-28) U10.K11(AVDD_1P9-25) U10.K12(AVDD_1P9-26) U11.E6(AVDD_1P9-1) U11.E7(AVDD_1P9-2) U11.E11(AVDD_1P9-3) U11.E12(AVDD_1P9-4) U11.E13(AVDD_1P9-5) U11.E14(AVDD_1P9-6) U11.F6(AVDD_1P9-11) U11.F7(AVDD_1P9-12) U11.F11(AVDD_1P9-7) U11.F12(AVDD_1P9-8) U11.F13(AVDD_1P9-9) U11.F14(AVDD_1P9-10) U11.G6(AVDD_1P9-15) U11.G7(AVDD_1P9-16) U11.G11(AVDD_1P9-13) U11.G12(AVDD_1P9-14) U11.H6(AVDD_1P9-19) U11.H7(AVDD_1P9-20) U11.H11(AVDD_1P9-17) U11.H12(AVDD_1P9-18) U11.J6(AVDD_1P9-23) U11.J7(AVDD_1P9-24) U11.J11(AVDD_1P9-21) U11.J12(AVDD_1P9-22) U11.K6(AVDD_1P9-27) U11.K7(AVDD_1P9-28) U11.K11(AVDD_1P9-25) U11.K12(AVDD_1P9-26)
+A3P3: C8.1 C10.1 C15.1 C20.1 C32.1 C33.1 C34.1 C35.1 C36.1 C37.1 C38.1 C125.1 C126.1 C127.1 C128.1 C129.1 C130.1 C131.1 C218.1 C219.1 C220.1 C221.1 C222.1 C223.1 C224.1 C311.1 C312.1 C313.1 C314.1 C315.1 C316.1 C317.1 C401.1 C402.1 C427.1 C428.1 C440.1 C441.1 C469.1 C470.1 C481.1 C495.1 C511.1 C512.1 C524.1 C525.1 C553.1 C554.1 C582.2 C583.2 J20.19 J20.21 J20.23 U1.9(VDD) U2.9(VDD) U3.9(VDD) U4.9(VDD) U6.D6(AVDD_3P3-1) U6.D7(AVDD_3P3-2) U6.D8(AVDD_3P3-3) U6.D9(AVDD_3P3-4) U6.D10(AVDD_3P3-5) U6.D11(AVDD_3P3-6) U6.D12(AVDD_3P3-7) U8.D6(AVDD_3P3-1) U8.D7(AVDD_3P3-2) U8.D8(AVDD_3P3-3) U8.D9(AVDD_3P3-4) U8.D10(AVDD_3P3-5) U8.D11(AVDD_3P3-6) U8.D12(AVDD_3P3-7) U10.D6(AVDD_3P3-1) U10.D7(AVDD_3P3-2) U10.D8(AVDD_3P3-3) U10.D9(AVDD_3P3-4) U10.D10(AVDD_3P3-5) U10.D11(AVDD_3P3-6) U10.D12(AVDD_3P3-7) U11.D6(AVDD_3P3-1) U11.D7(AVDD_3P3-2) U11.D8(AVDD_3P3-3) U11.D9(AVDD_3P3-4) U11.D10(AVDD_3P3-5) U11.D11(AVDD_3P3-6) U11.D12(AVDD_3P3-7) U13.29(THSD) U13.30(VDDP) U13.40(DVDD) U14.29(THSD) U14.30(VDDP) U14.40(DVDD) U15.29(THSD) U15.30(VDDP) U15.40(DVDD) U16.29(THSD) U16.30(VDDP) U16.40(DVDD) U17.29(THSD) U17.30(VDDP) U17.40(DVDD) U18.29(THSD) U18.30(VDDP) U18.40(DVDD) U19.29(THSD) U19.30(VDDP) U19.40(DVDD) U20.29(THSD) U20.30(VDDP) U20.40(DVDD) X3.1(OE) X3.6(VCC)
+D1P2: C74.1 C75.1 C76.1 C77.1 C78.1 C79.1 C80.1 C82.1 C83.1 C88.1 C89.1 C92.1 C93.1 C94.1 C95.1 C96.1 C97.1 C98.1 C99.1 C100.1 C101.1 C102.1 C103.1 C104.1 C105.1 C106.1 C110.1 C111.1 C113.1 C167.1 C168.1 C169.1 C170.1 C171.1 C172.1 C173.1 C174.1 C178.1 C179.1 C181.1 C187.1 C188.1 C189.1 C190.1 C191.1 C192.1 C193.1 C194.1 C195.1 C196.1 C197.1 C198.1 C199.1 C200.1 C201.1 C202.1 C204.1 C205.1 C260.1 C261.1 C262.1 C263.1 C264.1 C265.1 C266.1 C267.1 C271.1 C272.1 C273.1 C279.1 C280.1 C281.1 C282.1 C283.1 C284.1 C285.1 C286.1 C287.1 C288.1 C289.1 C290.1 C291.1 C292.1 C293.1 C294.1 C295.1 C296.1 C356.1 C357.1 C358.1 C359.1 C360.1 C361.1 C364.1 C365.1 C366.1 C367.1 C368.1 C372.1 C373.1 C374.1 C375.1 C376.1 C377.1 C378.1 C379.1 C380.1 C381.1 C382.1 C383.1 C384.1 C385.1 C386.1 C387.1 C388.1 C392.1 J20.52 U6.L3(DVDD_1P2-17) U6.M4(DVDD_1P2-6) U6.M5(DVDD_1P2-7) U6.M6(DVDD_1P2-21) U6.M12(DVDD_1P2-18) U6.M13(DVDD_1P2-19) U6.M14(DVDD_1P2-20) U6.N2(DVDD_1P2-8) U6.N3(DVDD_1P2-9) U6.N4(DVDD_1P2-10) U6.N5(DVDD_1P2-11) U6.N6(DVDD_1P2-12) U6.N12(DVDD_1P2-1) U6.N13(DVDD_1P2-2) U6.N14(DVDD_1P2-3) U6.N15(DVDD_1P2-4) U6.N16(DVDD_1P2-5) U6.P2(DVDD_1P2-15) U6.P3(DVDD_1P2-16) U6.P15(DVDD_1P2-13) U6.P16(DVDD_1P2-14) U8.L3(DVDD_1P2-17) U8.M4(DVDD_1P2-6) U8.M5(DVDD_1P2-7) U8.M6(DVDD_1P2-21) U8.M12(DVDD_1P2-18) U8.M13(DVDD_1P2-19) U8.M14(DVDD_1P2-20) U8.N2(DVDD_1P2-8) U8.N3(DVDD_1P2-9) U8.N4(DVDD_1P2-10) U8.N5(DVDD_1P2-11) U8.N6(DVDD_1P2-12) U8.N12(DVDD_1P2-1) U8.N13(DVDD_1P2-2) U8.N14(DVDD_1P2-3) U8.N15(DVDD_1P2-4) U8.N16(DVDD_1P2-5) U8.P2(DVDD_1P2-15) U8.P3(DVDD_1P2-16) U8.P15(DVDD_1P2-13) U8.P16(DVDD_1P2-14) U10.L3(DVDD_1P2-17) U10.M4(DVDD_1P2-6) U10.M5(DVDD_1P2-7) U10.M6(DVDD_1P2-21) U10.M12(DVDD_1P2-18) U10.M13(DVDD_1P2-19) U10.M14(DVDD_1P2-20) U10.N2(DVDD_1P2-8) U10.N3(DVDD_1P2-9) U10.N4(DVDD_1P2-10) U10.N5(DVDD_1P2-11) U10.N6(DVDD_1P2-12) U10.N12(DVDD_1P2-1) U10.N13(DVDD_1P2-2) U10.N14(DVDD_1P2-3) U10.N15(DVDD_1P2-4) U10.N16(DVDD_1P2-5) U10.P2(DVDD_1P2-15) U10.P3(DVDD_1P2-16) U10.P15(DVDD_1P2-13) U10.P16(DVDD_1P2-14) U11.L3(DVDD_1P2-17) U11.M4(DVDD_1P2-6) U11.M5(DVDD_1P2-7) U11.M6(DVDD_1P2-21) U11.M12(DVDD_1P2-18) U11.M13(DVDD_1P2-19) U11.M14(DVDD_1P2-20) U11.N2(DVDD_1P2-8) U11.N3(DVDD_1P2-9) U11.N4(DVDD_1P2-10) U11.N5(DVDD_1P2-11) U11.N6(DVDD_1P2-12) U11.N12(DVDD_1P2-1) U11.N13(DVDD_1P2-2) U11.N14(DVDD_1P2-3) U11.N15(DVDD_1P2-4) U11.N16(DVDD_1P2-5) U11.P2(DVDD_1P2-15) U11.P3(DVDD_1P2-16) U11.P15(DVDD_1P2-13) U11.P16(DVDD_1P2-14)